# Altium PCB ETZZ.PcbDoc
Units mil, origin at the board's own origin, x right, y up, seen from the top; angles counter-clockwise.
Board outline 2755.91 x 4724.41 mil, 2 copper layers (Top Layer, Bottom Layer); 37 components, 54 nets, 245 pads, 53 vias.
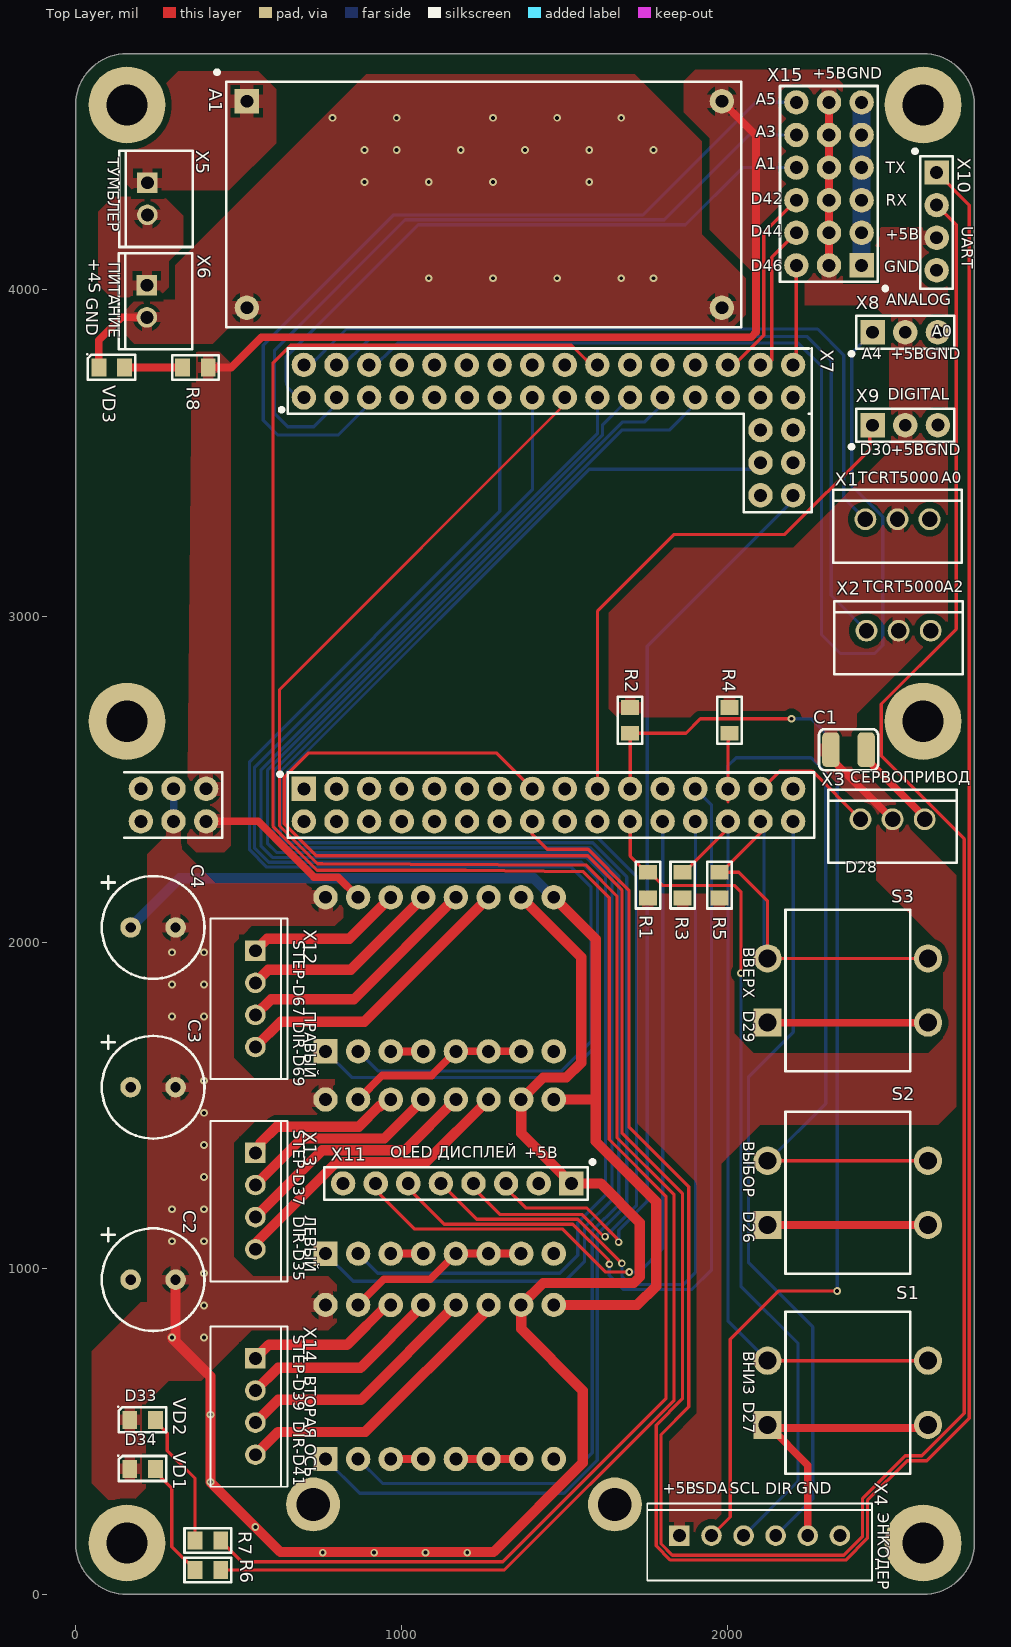
[diagram p0: Top Layer view]
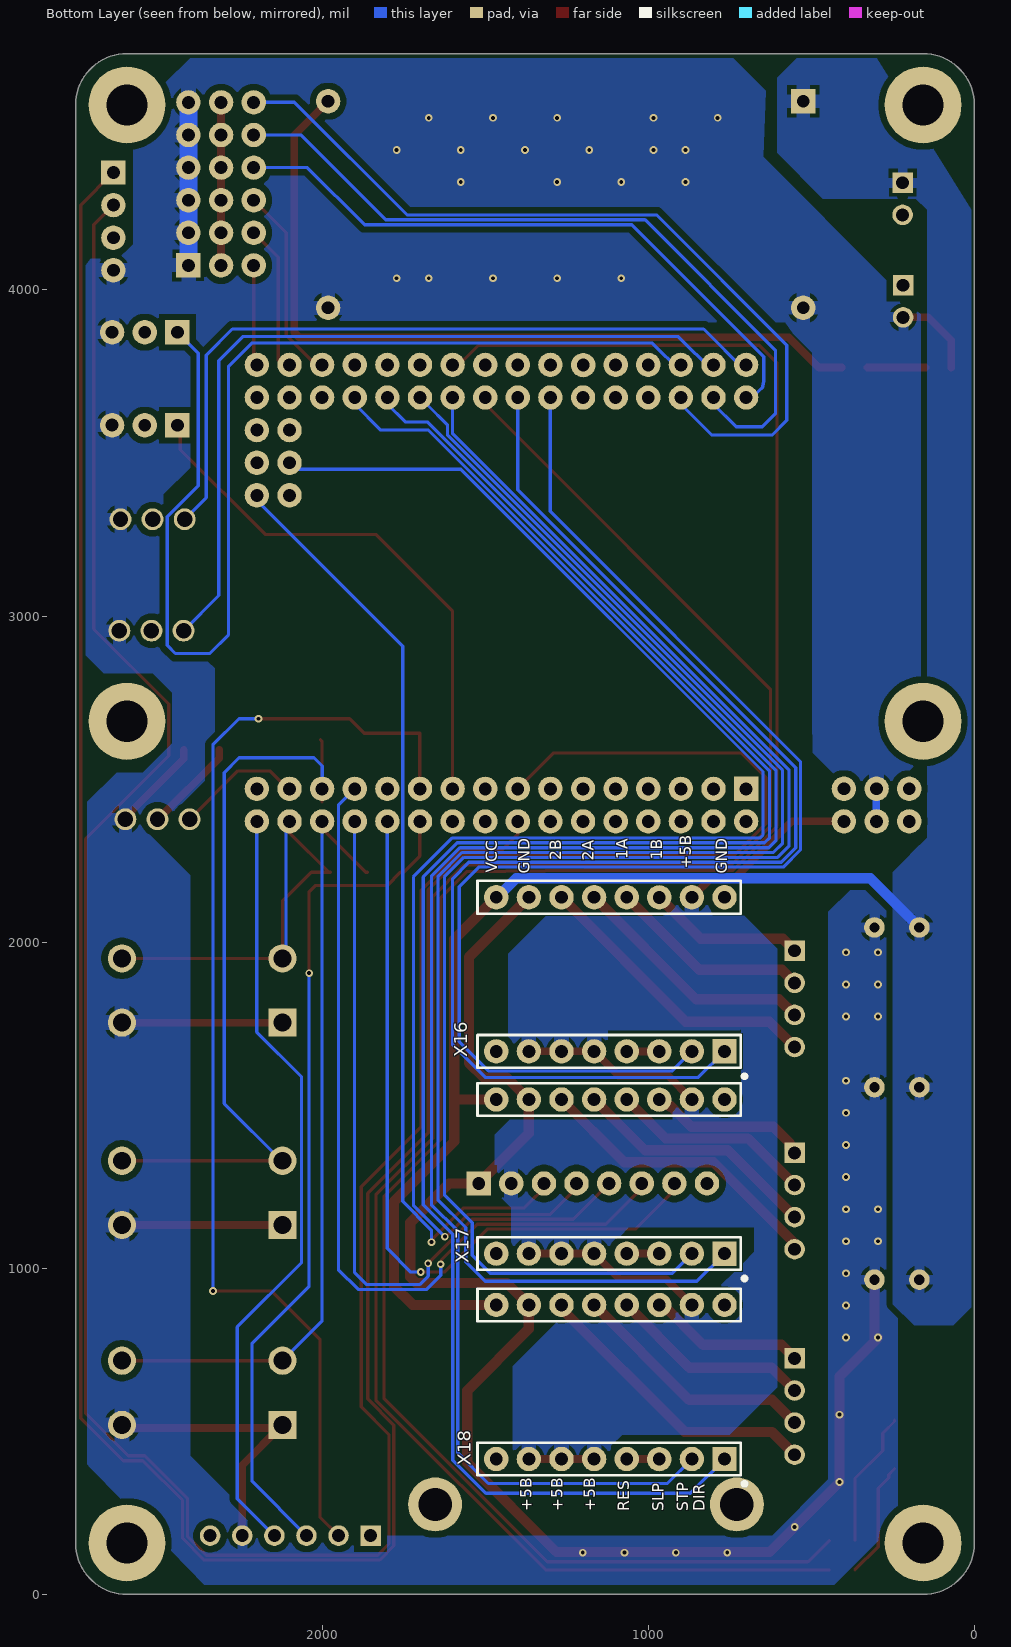
[diagram p1: Bottom Layer view, seen from below]

## Layer stack, top to bottom
Top Solder: solder mask 0.4, Solder Resist, Dk 3.5
Top Layer: signal copper 1.4
Dielectric 1: dielectric 12.6, FR-4, Dk 4.8
Bottom Layer: signal copper 1.4
Bottom Solder: solder mask 0.4, Solder Resist, Dk 3.5

## Board outline
157.48,0 cw(c157.48,157.48) 0,157.48 0,4566.93 cw(c157.48,4566.93) 157.48,4724.41 2598.43,4724.41 cw(c2598.43,4566.93) 2755.91,4566.93 2755.91,157.48 cw(c2598.43,157.48) 2598.43,0

## Design rules (kind name [scope] priority, off if disabled: settings)
AcuteAngle min_acute_angle [OnCopper] p1: minimum=3.50000000000000E+0001 checktracksonly=FALSE // Ìèíèìàëüíûé óãîë ìåæäó ïðèìèòèâàìè òîïîëîãèè
BoardOutlineClearance board_outline_clearance_std [NOT (OnLayer('Bottom Overlay') OR OnLayer('Top Overlay'))] p1: gap=9.84 ignorepadtopadclearanceinfootprint=FALSE except(0: Arc-SplitContinuation Track-SplitContinuation SMDPad-SplitContinuation THPad-SplitContinuation Via-SplitContinuation Fill-SplitContinuation Poly-SplitContinuation Region-SplitContinuation Text-SplitContinuation) // Îòñòóï ýëåìåíòîâ òîïîëîãèè îò êðàÿ ôðåçåðóåìîé ïå÷àòíîé ïëàòû
Clearance Clearance_5V [InPolygonClass('+5В')] p1: gap=19.68 ignorepadtopadclearanceinfootprint=FALSE
Clearance Clearance_vcc [InPolygonClass('VCC')] p2: gap=19.68 ignorepadtopadclearanceinfootprint=FALSE
Clearance Clearance_gnd [InPolygonClass('GND')] p3: gap=19.68 ignorepadtopadclearanceinfootprint=FALSE
Clearance clearance_outer_18um_std [OnTopLayer OR OnBottomLayer] p4: gap=4.92 ignorepadtopadclearanceinfootprint=TRUE except(7.87: Arc-Fill Arc-Poly Track-Fill Track-Poly SMDPad-SMDPad SMDPad-Fill SMDPad-Poly THPad-Fill THPad-Poly Via-Fill Via-Poly Fill-Fill Fill-Poly Poly-Poly Poly-Region Poly-Text; 9.84: Arc-Hole Track-Hole SMDPad-Hole THPad-Hole Via-Hole Fill-Hole Poly-Hole Region-Hole Text-Hole) // Çàçîðû íà âíåøíèõ ñëîÿõ
Clearance clearance_inner_18um_std [NOT (OnTopLayer Or OnBottomLayer)] p5: gap=4.92 ignorepadtopadclearanceinfootprint=FALSE except(7.87: Arc-Fill Arc-Poly Track-Fill Track-Poly SMDPad-SMDPad SMDPad-Fill SMDPad-Poly THPad-Fill THPad-Poly Via-Fill Via-Poly Fill-Fill Fill-Poly Poly-Poly Poly-Region Poly-Text; 9.84: Arc-Hole Track-Hole SMDPad-Hole THPad-Hole Via-Hole Fill-Hole Poly-Hole Region-Hole Text-Hole) // Çàçîðû íà âíóòðåííèõ ñëîÿõ
ComponentClearance [All] p1: gap=0 collisioncheckmode=3 verticalgap=0 showdistances=FALSE
DiffPairsRouting diff_pairs_routing [All] p1: maxlimit=5 minlimit=5 mostfreqgap=5 toplayer_minwidth=5.65 toplayer_maxwidth=5.65 toplayer_prefwidth=5.65 bottomlayer_minwidth=5.65 bottomlayer_maxwidth=5.65 bottomlayer_prefwidth=5.65 impedanceprofiledriven=TRUE impedanceprofileid={FD46899E-B5A2-4EF5-A302-5D2DB6A51F35} maxuncoupledlength=500 // Ïðàâèëà òðàññèðîâêè äèôôåðåíöèàëüíûõ ïàð
HoleSize min_hole_size_std [IsPad] p1: absolutevalues=TRUE maxlimit=232.28 minlimit=23.62 maxpercent=80.000 minpercent=20.000 // Äèàìåòð ìåæñëîéíîãî ïåðåõîäíîãî îòâåðñòèÿ
HoleSize min_hole_size_via_std [IsVia] p2: absolutevalues=TRUE maxlimit=232.28 minlimit=11.81 maxpercent=80.000 minpercent=20.000 // Ìèíèìàëüíûé äèàìåòð ìîíòàæíîãî îòâåðñòèÿ
HoleToHoleClearance hole_to_hole_clearance_std [All] p1: gap=7.87 allowstackedmicrovias=FALSE // Ìèíèìàëüíîå ðàññòîÿíèå ìåæäó êðàÿìè äâóõ îòâåðñòèé
MinimumAnnularRing min_via_ar_std [All] p1: minimumring=5.91 // Ïîÿñîê ïëîùàäêè ïåðåõîäíîãî îòâåðñòèÿ (Annular ring VIA)
MinimumAnnularRing min_pad_ar_std [All] p2: minimumring=7.87 // Ïîÿñîê ìîíòàæíîé êîíòàêòíîé ïëîùàäêè (Annular ring PAD)
MinimumSolderMaskSliver min_solder_mask_bridge_std [All] p1: minsoldermaskwidth=5.91 // Ìíèìàëüíàÿ øèðèíà ìàñî÷íîãî ìîñòèêà
PlaneClearance plane_clearance_18um_std [All] p1: clearance=7.87 // Îòñòóï ïîëèãîíà (äëÿ ñëîÿ plane) îò ýëåìåíòîâ òîïîëîãèè
PlaneConnect [All] p1: planeconnectstyle=Relief reliefexpansion=19.68 reliefentries=4 reliefconductorwidth=7.87 reliefairgap=7.87
PolygonConnect poly_connect_to_pad<=0.3 [(AsMM(PadXSize_AllLayers)<=0.301) or (AsMM(PadYSize_AllLayers)<=0.301)] p1: thpad.connectstyle=Relief thpad.reliefconductorwidth=7.87 thpad.reliefentries=4 thpad.polygonreliefangle="90 Angle" thpad.airgapwidth=7.87 smdpad.connectstyle=Relief smdpad.reliefconductorwidth=7.87 smdpad.reliefentries=4 smdpad.polygonreliefangle="90 Angle" smdpad.airgapwidth=7.87 via.connectstyle=Direct via.reliefconductorwidth=10 via.reliefentries=4 via.polygonreliefangle="90 Angle" via.airgapwidth=10 // Ïðàâèëà ïîäêëþ÷åíèÿ ïîëèãîíîâ äëÿ ïàäîâ îò 0,3ìì è ìåíüøå
PolygonConnect poly_connect_to_pad<=0.4 [(AsMM(PadXSize_AllLayers)<=0.401) or (AsMM(PadYSize_AllLayers)<=0.401)] p2: thpad.connectstyle=Relief thpad.reliefconductorwidth=10.24 thpad.reliefentries=4 thpad.polygonreliefangle="90 Angle" thpad.airgapwidth=7.87 smdpad.connectstyle=Relief smdpad.reliefconductorwidth=10.24 smdpad.reliefentries=4 smdpad.polygonreliefangle="90 Angle" smdpad.airgapwidth=7.87 via.connectstyle=Direct via.reliefconductorwidth=10 via.reliefentries=4 via.polygonreliefangle="90 Angle" via.airgapwidth=10 // Ïðàâèëà ïîäêëþ÷åíèÿ ïîëèãîíîâ äëÿ ïàäîâ îò 0,4 è ìåíüøå
PolygonConnect poly_connect_to_pad<=0.6 [(AsMM(PadXSize_AllLayers)<=0.601) or (AsMM(PadYSize_AllLayers)<=0.601)] p3: thpad.connectstyle=Relief thpad.reliefconductorwidth=12.99 thpad.reliefentries=4 thpad.polygonreliefangle="90 Angle" thpad.airgapwidth=7.87 smdpad.connectstyle=Relief smdpad.reliefconductorwidth=12.99 smdpad.reliefentries=4 smdpad.polygonreliefangle="90 Angle" smdpad.airgapwidth=7.87 via.connectstyle=Direct via.reliefconductorwidth=10 via.reliefentries=4 via.polygonreliefangle="90 Angle" via.airgapwidth=10 // Ïðàâèëà ïîäêëþ÷åíèÿ ïîëèãîíîâ äëÿ ïàäîâ îò 0,6ìì è ìåíüøå
PolygonConnect poly_connect_to_pad<=0.7 [(AsMM(PadXSize_AllLayers)<=0.701) or (AsMM(PadYSize_AllLayers)<=0.701)] p4: thpad.connectstyle=Relief thpad.reliefconductorwidth=18.11 thpad.reliefentries=4 thpad.polygonreliefangle="90 Angle" thpad.airgapwidth=7.87 smdpad.connectstyle=Relief smdpad.reliefconductorwidth=18.11 smdpad.reliefentries=4 smdpad.polygonreliefangle="90 Angle" smdpad.airgapwidth=7.87 via.connectstyle=Direct via.reliefconductorwidth=10 via.reliefentries=4 via.polygonreliefangle="90 Angle" via.airgapwidth=10 // Ïðàâèëà ïîäêëþ÷åíèÿ ïîëèãîíîâ äëÿ ïàäîâ îò 0,7ìì è ìåíüøå
PolygonConnect poly_connect_to_pad<=0.8 [(AsMM(PadXSize_AllLayers)<=0.8)or(AsMM(PadYSize_AllLayers)<=0.8)] p5: thpad.connectstyle=Relief thpad.reliefconductorwidth=20.87 thpad.reliefentries=4 thpad.polygonreliefangle="90 Angle" thpad.airgapwidth=11.81 smdpad.connectstyle=Relief smdpad.reliefconductorwidth=20.87 smdpad.reliefentries=4 smdpad.polygonreliefangle="90 Angle" smdpad.airgapwidth=7.87 via.connectstyle=Direct via.reliefconductorwidth=10 via.reliefentries=4 via.polygonreliefangle="90 Angle" via.airgapwidth=10 // Ïðàâèëà ïîäêëþ÷åíèÿ ïîëèãîíîâ äëÿ ïàäîâ îò 0,8ìì è ìåíüøå
PolygonConnect poly_connect_to_pad<=1 [(AsMM(PadXSize_AllLayers)<=1.01)or(AsMM(PadYSize_AllLayers)<=1.01)] p6: thpad.connectstyle=Relief thpad.reliefconductorwidth=23.62 thpad.reliefentries=4 thpad.polygonreliefangle="90 Angle" thpad.airgapwidth=11.81 smdpad.connectstyle=Relief smdpad.reliefconductorwidth=23.62 smdpad.reliefentries=4 smdpad.polygonreliefangle="90 Angle" smdpad.airgapwidth=7.87 via.connectstyle=Direct via.reliefconductorwidth=10 via.reliefentries=4 via.polygonreliefangle="90 Angle" via.airgapwidth=10 // Ïðàâèëà ïîäêëþ÷åíèÿ ïîëèãîíîâ äëÿ ïàäîâ îò 1ìì è ìåíüøå
PolygonConnect poly_connect_to_pad<=1.3 [(AsMM(PadXSize_AllLayers)<=1.31)or(AsMM(PadYSize_AllLayers)<=1.31)] p7: thpad.connectstyle=Relief thpad.reliefconductorwidth=25.98 thpad.reliefentries=4 thpad.polygonreliefangle="90 Angle" thpad.airgapwidth=11.81 smdpad.connectstyle=Relief smdpad.reliefconductorwidth=33.86 smdpad.reliefentries=4 smdpad.polygonreliefangle="90 Angle" smdpad.airgapwidth=7.87 via.connectstyle=Direct via.reliefconductorwidth=10 via.reliefentries=4 via.polygonreliefangle="90 Angle" via.airgapwidth=10 // Ïðàâèëà ïîäêëþ÷åíèÿ ïîëèãîíîâ äëÿ ïàäîâ îò 1,3ìì è ìåíüøå
PolygonConnect poly_connect_to_pad<=1.6 [(AsMM(PadXSize_AllLayers)<=1.61)or(AsMM(PadYSize_AllLayers)<=1.61)] p8: thpad.connectstyle=Relief thpad.reliefconductorwidth=31.5 thpad.reliefentries=4 thpad.polygonreliefangle="90 Angle" thpad.airgapwidth=11.81 smdpad.connectstyle=Relief smdpad.reliefconductorwidth=39.37 smdpad.reliefentries=4 smdpad.polygonreliefangle="90 Angle" smdpad.airgapwidth=7.87 via.connectstyle=Direct via.reliefconductorwidth=10 via.reliefentries=4 via.polygonreliefangle="90 Angle" via.airgapwidth=10 // Ïðàâèëà ïîäêëþ÷åíèÿ ïîëèãîíîâ äëÿ ïàäîâ îò 1,6ìì è ìåíüøå
PolygonConnect poly_connect_to_pad<=1.8 [(AsMM(PadXSize_AllLayers)<=1.8)or(AsMM(PadYSize_AllLayers)<=1.8)] p9: thpad.connectstyle=Relief thpad.reliefconductorwidth=39.37 thpad.reliefentries=4 thpad.polygonreliefangle="90 Angle" thpad.airgapwidth=11.81 smdpad.connectstyle=Relief smdpad.reliefconductorwidth=47.24 smdpad.reliefentries=4 smdpad.polygonreliefangle="90 Angle" smdpad.airgapwidth=7.87 via.connectstyle=Direct via.reliefconductorwidth=10 via.reliefentries=4 via.polygonreliefangle="90 Angle" via.airgapwidth=10 // Ïðàâèëà ïîäêëþ÷åíèÿ ïîëèãîíîâ äëÿ ïàäîâ îò 1,8ìì è ìåíüøå
PolygonConnect poly_connect_to_pad<=2 [(AsMM(PadXSize_AllLayers)<=2.01)or(AsMM(PadYSize_AllLayers)<=2.01)] p10: thpad.connectstyle=Relief thpad.reliefconductorwidth=43.31 thpad.reliefentries=4 thpad.polygonreliefangle="90 Angle" thpad.airgapwidth=11.81 smdpad.connectstyle=Relief smdpad.reliefconductorwidth=55.12 smdpad.reliefentries=4 smdpad.polygonreliefangle="90 Angle" smdpad.airgapwidth=7.87 via.connectstyle=Direct via.reliefconductorwidth=10 via.reliefentries=4 via.polygonreliefangle="90 Angle" via.airgapwidth=10 // Ïðàâèëà ïîäêëþ÷åíèÿ ïîëèãîíîâ äëÿ ïàäîâ îò 2ìì è ìåíüøå
PolygonConnect poly_connect_to_pad<=2.3 [(AsMM(PadXSize_AllLayers)<=2.31)or(AsMM(PadYSize_AllLayers)<=2.31)] p11: thpad.connectstyle=Relief thpad.reliefconductorwidth=47.24 thpad.reliefentries=4 thpad.polygonreliefangle="90 Angle" thpad.airgapwidth=11.81 smdpad.connectstyle=Relief smdpad.reliefconductorwidth=55.12 smdpad.reliefentries=4 smdpad.polygonreliefangle="90 Angle" smdpad.airgapwidth=7.87 via.connectstyle=Direct via.reliefconductorwidth=10 via.reliefentries=4 via.polygonreliefangle="90 Angle" via.airgapwidth=10 // Ïðàâèëà ïîäêëþ÷åíèÿ ïîëèãîíîâ äëÿ ïàäîâ îò 2,3ìì è ìåíüøå
PolygonConnect poly_connect_to_pad<=2.5 [(AsMM(PadXSize_AllLayers)<=2.51)or(AsMM(PadYSize_AllLayers)<=2.51)] p12: thpad.connectstyle=Relief thpad.reliefconductorwidth=47.24 thpad.reliefentries=4 thpad.polygonreliefangle="90 Angle" thpad.airgapwidth=11.81 smdpad.connectstyle=Relief smdpad.reliefconductorwidth=55.12 smdpad.reliefentries=4 smdpad.polygonreliefangle="90 Angle" smdpad.airgapwidth=7.87 via.connectstyle=Direct via.reliefconductorwidth=10 via.reliefentries=4 via.polygonreliefangle="90 Angle" via.airgapwidth=10 // Ïðàâèëà ïîäêëþ÷åíèÿ ïîëèãîíîâ äëÿ ïàäîâ îò 2,5ìì è ìåíüøå
PolygonConnect poly_connect_to_pad<=2.7 [(AsMM(PadXSize_AllLayers)<=2.71)or(AsMM(PadYSize_AllLayers)<=2.71)] p13: thpad.connectstyle=Relief thpad.reliefconductorwidth=55.12 thpad.reliefentries=4 thpad.polygonreliefangle="90 Angle" thpad.airgapwidth=11.81 smdpad.connectstyle=Relief smdpad.reliefconductorwidth=62.99 smdpad.reliefentries=4 smdpad.polygonreliefangle="90 Angle" smdpad.airgapwidth=7.87 via.connectstyle=Direct via.reliefconductorwidth=10 via.reliefentries=4 via.polygonreliefangle="90 Angle" via.airgapwidth=10 // Ïðàâèëà ïîäêëþ÷åíèÿ ïîëèãîíîâ äëÿ ïàäîâ îò 2,7ìì è ìåíüøå
PolygonConnect poly_connect_to_pad<=3 [(AsMM(PadXSize_AllLayers)<=3.01)or(AsMM(PadYSize_AllLayers)<=3.01)] p14: thpad.connectstyle=Relief thpad.reliefconductorwidth=62.99 thpad.reliefentries=4 thpad.polygonreliefangle="90 Angle" thpad.airgapwidth=11.81 smdpad.connectstyle=Relief smdpad.reliefconductorwidth=70.87 smdpad.reliefentries=4 smdpad.polygonreliefangle="90 Angle" smdpad.airgapwidth=7.87 via.connectstyle=Direct via.reliefconductorwidth=10 via.reliefentries=4 via.polygonreliefangle="90 Angle" via.airgapwidth=10 // Ïðàâèëà ïîäêëþ÷åíèÿ ïîëèãîíîâ äëÿ ïàäîâ îò 3ìì è ìåíüøå
PolygonConnect poly_connect_to_pad<=7 [(AsMM(PadXSize_AllLayers)<7.01)or(AsMM(PadYSize_AllLayers)<=7.01)] p15: thpad.connectstyle=Relief thpad.reliefconductorwidth=78.74 thpad.reliefentries=4 thpad.polygonreliefangle="90 Angle" thpad.airgapwidth=15.75 smdpad.connectstyle=Relief smdpad.reliefconductorwidth=78.74 smdpad.reliefentries=4 smdpad.polygonreliefangle="90 Angle" smdpad.airgapwidth=11.81 via.connectstyle=Direct via.reliefconductorwidth=10 via.reliefentries=4 via.polygonreliefangle="90 Angle" via.airgapwidth=10 // Ïðàâèëà ïîäêëþ÷åíèÿ ïîëèãîíîâ äëÿ ïàäîâ îò 7ìì è ìåíüøå
PolygonConnect poly_connect_to_pad [All] p16: thpad.connectstyle=Relief thpad.reliefconductorwidth=9.84 thpad.reliefentries=4 thpad.polygonreliefangle="90 Angle" thpad.airgapwidth=7.87 smdpad.connectstyle=Relief smdpad.reliefconductorwidth=9.84 smdpad.reliefentries=4 smdpad.polygonreliefangle="90 Angle" smdpad.airgapwidth=7.87 via.connectstyle=Direct via.reliefconductorwidth=9.84 via.reliefentries=4 via.polygonreliefangle="90 Angle" via.airgapwidth=7.87 // Ïðàâèëà ïîäêëþ÷åíèÿ ïîëèãîíîâ îáùèå
RoutingCorners [All] p1 off: cornerstyle=45-Degree minsetback=98.43 maxsetback=98.43
RoutingVias [All] p1: holewidth=11.81 width=23.62 viastyle="Through Hole" minholewidth=11.81 minwidth=23.62 maxholewidth=232.28 maxwidth=251.97
SilkToSilkClearance silk_to_silk_clearance_std [All] p1 off: silktosilkclearance=5.91 // Îòñòóï òåêñòà øåëêîãðàôèè îò äðóãèõ ïðèìèòèâîâ øåëêîãðàôèè
SilkToSolderMaskClearance silk_to_solder_mask_clearance_std [IsPad] p1 off: minsilkscreentomaskgap=5.91 clearancetoexposedcopper=FALSE // Ìèíèìàëüíîå ðàññòîÿíèå ìåæäó ýëåìåíòàìè øåëêîãðàôèè è âñêðûòîé ìåäüþ
SolderMaskExpansion solder_mask_expansion_std [All] p1: expansion=1.97 istentingtop=FALSE // Ïðèïóñê ïàÿëüíîé ìàññêè
UnRoutedNet [All] p1: checkbadconnections=TRUE
Width width_18um_std [All] p1: maxlimit=393.7 minlimit=4.92 preferedwidth=5.91 checkconnectedcopper=TRUE // Øèðèíà ïðîâîäíèêîâ (îáùàÿ)
19 further rules are at their usual default settings.

## Classes and differential pairs
polygon class +5В: 5V_MOTOR 5V_top +5В
polygon class VCC: +4s_vcc btm_vcc VCC_top
polygon class GND: BOT_GND brm_gnd GND_lm top_gnd
component class Э3: A1 C1 R1 R2 R3 R4 R5 R6 R7 R8 S1 S2 S3 VD1 VD2 VD3 X1 X2 X3 X4 X5 X6 X7 X8 X9 X10 X11
component class Э3_2: C2 C3 C4 Q X12 X13 X14 X15 X17 X18

## Components (designator, comment, footprint, x,y, rotation, side; value= is the part's Value field where it differs from the comment)
A1 "LM2596" LM2596 1233.66,4267.48 r270 top
C1 "100мк" C1210 2370,2590 r180 top
C2 "конденсатор" SK050M0100B3F-0811-up 237.62,965 r0 top
C3 "конденсатор" SK050M0100B3F-0811-up 237.62,1555 r0 top
C4 "конденсатор" SK050M0100B3F-0811-up 237.62,2045 r0 top
R1 "10к" Resistor0805 1755,2175 r90 top
R2 "10к" Resistor0805 1700,2680 r270 top
R3 "10к" Resistor0805 1861.46,2175 r270 top
R4 "10к" Resistor0805 2005,2680 r90 top
R5 "10к" Resistor0805 1974.07,2175 r270 top
R6 "1к" Resistor0805 405.63,75 r180 top
R7 "1к" Resistor0805 405.63,165 r180 top
R8 "1к" Resistor0805 367.46,3762.02 r180 top
S1 "BUTTON12" THT12 2121.67,519.68 r90 top
S2 "BUTTON12" THT12 2121.67,1132.76 r90 top
S3 "BUTTON12" THT12 2121.67,1753.2 r90 top
VD1 "LED0805" LED0805 205.63,385 r0 top
VD2 "LED0805" LED0805 205.63,535 r0 top
VD3 "LED0805" LED0805 110.63,3762.02 r0 top
X1 "DS1069-3M (CWF-3)" CWF-3 2520,3275 r270 top
X2 "DS1069-3M (CWF-3)" CWF-3 2523.43,2933.35 r270 top
X3 "DS1069-3M (CWF-3)" CWF-3 2505,2355 r270 top
X4 "DS1069-6M (CWF-6)" CWF-6 1851.3,180 r90 top
X5 "DS1069-2M (CWF-2)" CWF-2 246.57,4279.21 r270 top
X6 "DS1069-2M (CWF-2)" CWF-2 245,3965 r270 top
X7 "Arduino Mega 2560 Pro" PBD38 800,3720 r0 top locked
X8 "PLS-2,54-3" PLS-2.54-3 2543.88,3870 r0 top
X9 "PLS-2,54-3" PLS-2.54-3 2543.88,3585 r0 top
X10 "PLS-2,54-4" PLS-2.54-4 2640,4260 r270 top
X11 "PBD8" PBD8 1420,1260 r180 top locked
X12 "DS1069-4M (CWF-4)" CWF-4 551.18,1973.59 r0 top
X13 "DS1069-4M (CWF-4)" CWF-4 551.18,1353.59 r0 top
X14 "DS1069-4M (CWF-4)" CWF-4 551.18,723.59 r0 top
X15 "PLS-2.54-3*6" PLS-2.54-3*6 2210,4075 r90 top
X16 "A4988" A4988 866.14,1665 r0 bottom locked
X17 "A4988" A4988 866.14,1045 r0 bottom
X18 "A4988" A4988 866.14,415 r0 bottom locked

## Footprints (in the part's own frame and the unit in brackets; to place one, negate y for a bottom-side part, rotate by r counter-clockwise, add the part's x,y. Pads: shape width x height; smd on the part's side, far side on the other; paste and mask are expansions set on the pad)
A4988 [mm]
  rect 1.9x1.9 hole 1: 1(-2.54,0)
  round 1.9 hole 1: 2(0,0) 3(2.545,0.005) 4(5.08,0) 5(7.62,0) 6(10.16,0) 7(12.7,0) 8(15.24,0) 9(-2.54,-12) 10(0,-12) 11(2.545,-11.995) 12(5.08,-12) 13(7.62,-12) 14(10.16,-12) 15(12.7,-12) 16(15.24,-12)
  silkscreen extent -4.1,-13.28 16.7,1.94, body extent -3.8,-13.55 16.67,1.45, height 15.6
C1210 [mm] "Chip Capacitor, 2-Leads, Body 3,20x2,50mm, IPC Medium Density"
  rrect50% 1.35x2.7 smd: 1(-1.375,0) 2(1.375,0)
  Top Layer pour cut-out: -0.6,1.325 -0.6,-1.05 0.6,-1.05 0.6,1.325
  silkscreen extent -2.3,-1.6 2.3,1.6, body extent -1.7,-1.35 1.7,1.35, height 2.7
CWF-2 [mm]
  rect 1.6x1.6 hole 1: 1(-1.25,-0.675)
  round 1.6 hole 1: 2(1.25,-0.675)
  silkscreen extent -3.75,-2.88 3.75,2.88, body extent -3.75,-2.87 3.75,2.88, height 7
CWF-3 [mm]
  round 1.7 hole 1.2: 1(-0.55,-2.5) 2(-0.55,0) 3(-0.55,2.5)
  silkscreen extent -2.85,-5 2.85,5, body extent -2.9,-5 2.8,5, height 7.7
CWF-4 [mm]
  rect 1.6x1.6 hole 1: 1(0,0)
  round 1.6 hole 1: 2(0,-2.5) 3(0,-5) 4(0,-7.5)
  silkscreen extent -3.5,-10 2.5,2.5, body extent -3.55,-9.95 2.2,2.45, height 7
CWF-6 [mm]
  rect 1.6x1.6 hole 1: 1(0,0)
  round 1.6 hole 1: 2(0,-2.5) 3(0,-5) 4(0,-7.5) 5(0,-10) 6(0,-12.5)
  silkscreen extent -3.5,-15 2.5,2.5, body extent -3.52,-15 2.22,2.5, height 7
LED0805 [mm]
  rect 1.15x1.4 smd: 1(-1,0) 2(1,0)
  silkscreen extent -1.9,-0.95 1.83,1.03, body extent -1.01,-0.65 1.01,0.6, height 1.1
LM2596 [mm]
  rect 1.9x1.9 hole 1: 1(-7.9,-18)
  round 1.9 hole 1: 2(8.191,-18) 3(-7.9,19) 4(8.191,19)
  silkscreen extent -10.16,-20.32 9.7,20.5, body extent -9.39,-19.5 9.7,20.5, height 17.53
PBD8 [mm]
  rect 1.9x1.9 hole 1: 1(-2.54,0)
  round 1.9 hole 1: 2(0,0) 3(2.545,0.005) 4(5.08,0) 5(7.62,0) 6(10.16,0) 7(12.7,0) 8(15.24,0)
  silkscreen extent -4.2,-1.68 16.7,1.28, body extent -8.65,-1.25 18.85,26.5, height 13.95
PBD38 [mm]
  rect 1.9x1.9 hole 1: 1(-2.54,-31.75)
  round 1.9 hole 1: 2(-2.54,-34.29) 3(0,-31.75) 7(5.08,-31.75) 8(5.08,-34.29) 13(12.7,-31.75) 14(12.7,-34.29) 19(20.32,-31.75) 20(20.32,-34.29) 25(27.94,-31.75) 26(27.94,-34.29) 31(35.56,-31.75) 32(35.56,-34.29) 33(17.78,1.27) 34(17.78,-1.27) 35(20.32,1.27) 39(25.4,1.27) 40(25.4,-1.27) 45(33.02,1.27) 46(33.02,-1.27) 51(35.56,-6.35) 52(33.02,-6.35) 57(0,1.27) 58(0,-1.27) 63(7.62,1.27) 64(7.62,-1.27) 69(15.24,1.27) 70(15.24,-1.27) 71(-15.24,-34.285) 72(-15.24,-31.745) 73(-12.7,-34.285)
  round 1.9 hole 1 mask+0.102: 4(0,-34.29) 5(2.54,-31.75) 6(2.54,-34.29) 9(7.62,-31.75) 10(7.62,-34.29) 11(10.16,-31.75) 12(10.16,-34.29) 15(15.24,-31.75) 16(15.24,-34.29) 17(17.78,-31.75) 18(17.78,-34.29) 21(22.86,-31.75) 22(22.86,-34.29) 23(25.4,-31.75) 24(25.4,-34.29) 27(30.48,-31.75) 28(30.48,-34.29) 29(33.02,-31.75) 30(33.02,-34.29) 36(20.32,-1.27) 37(22.86,1.27) 38(22.86,-1.27) 41(27.94,1.27) 42(27.94,-1.27) 43(30.48,1.27) 44(30.48,-1.27) 47(35.56,1.27) 48(35.56,-1.27) 49(35.56,-3.81) 50(33.02,-3.81) 53(35.56,-8.89) 54(33.02,-8.89) 55(-2.54,1.27) 56(-2.54,-1.27) 59(2.54,1.27) 60(2.54,-1.27) 61(5.08,1.27) 62(5.08,-1.27) 65(10.146,1.257) 66(10.16,-1.27) 67(12.7,1.27) 68(12.7,-1.27) 74(-12.7,-31.745) 75(-10.16,-34.285) 76(-10.16,-31.745)
  silkscreen extent -16.52,-35.57 37.2,2.54, body extent -17.18,-35.6 36.94,2.5, height 13.94
PLS-2.54-3 [mm]
  rect 1.9x1.9 hole 1: 1(-2.54,0)
  round 1.9 hole 1: 2(0,0) 3(2.545,0.005)
  silkscreen extent -4.2,-1.68 3.82,1.28, body extent -3.81,-1.27 3.81,1.27, height 8.59
PLS-2.54-3*6 [mm]
  rect 1.9x1.9 hole 1: 1(0,-5.08)
  round 1.9 hole 1: 2(2.54,-5.08) 3(5.08,-5.08) 4(7.62,-5.08) 5(10.16,-5.08) 6(12.7,-5.08) 7(0,-2.54) 8(2.54,-2.54) 9(5.08,-2.54) 10(7.62,-2.54) 11(10.16,-2.54) 12(12.7,-2.54) 13(0,0) 14(2.54,0) 15(5.08,0) 16(10.16,0) 17(7.62,0) 18(12.7,0)
  silkscreen extent -1.81,-6.93 13.98,1.28, body extent -1.26,-6.35 13.98,1.27, height 8.54
PLS-2.54-4 [mm]
  rect 1.9x1.9 hole 1: 1(-2.54,0)
  round 1.9 hole 1: 2(0,0) 3(2.545,0.005) 4(5.08,0)
  silkscreen extent -4.2,-1.68 6.5,1.28, body extent -3.79,-1.37 6.37,1.17, height 8.6
Resistor0805 [mm]
  rect 1.15x1.4 smd: 1(-1,0) 2(1,0)
  silkscreen extent -1.83,-0.95 1.83,0.95, body extent -1.1,-0.7 1.1,0.7, height 0.45
SK050M0100B3F-0811-up [mm]
  round 1.6 hole 0.8: 1(-1.75,0) 2(1.75,0)
  silkscreen extent -4,-4 4,4, body extent -4,-3.99 4,3.99, height 11.5
THT12 [mm]
  rect 2.2x2.2 hole 1.4: 1(0,0)
  round 2.2 hole 1.4: 1(0,-12.5) 2(5,0) 2(5,-12.5)
  silkscreen extent -3.8,-11.1 8.8,-1.4, body extent -3.85,-13.28 8.95,0.78, height 12

## Part data
C1: library part CC0603JRNPO9BN220, "Конденсатор кер. 100мк 50В", Manufacturer=Yageo, Voltage=50В, Name=CC0603JRNPO9BN220, TKE=NP0
C2 C3 C4: library part SK050M0100B3F-0811, Voltage=50В, nam=конденсатор, nominal=100мк
R1 R2 R3 R4 R5 R6 R7 R8: library part RESISTOR
  R1 R2 R3 R4 R5: nam=10к
  R6 R7 R8: nam=резистор
X1 X2 X3: library part CWF-3, "Разъем - 3 конт. прямая вилка на плату", Contact_1=S, Contact_2=VCC, Contact_3=GND, Name="DS1069-3M (CWF-3)"
X4: library part CWF-6, "Разъем - 6 конт. прямая вилка на плату", Contact_1=VCC, Contact_2=SDA, Contact_3=SCL, Contact_4=DIR, Contact_5=GND, Name="DS1069-6M (CWF-6)"
X5 X6: library part CWF-2, "Разъем - 2 конт. прямая вилка на плату", Contact_1=VIN, Name="DS1069-2M (CWF-2)"
  X5: Contact_2=VIN2
  X6: Contact_2=GND
X8 X9: library part "PLS-2.54-3 1>2", Contact_1=S, Contact_2=VCC, Contact_3=GND, nam=PLS-2,54-3
X10: library part PLS-2.54-4, Contact_1=TX, Contact_2=RX, Contact_3=VCC, Contact_4=GND, nam=PLS-2,54-4
X12 X13 X14: library part CWF-4, "Разъем - 4 конт. прямая вилка на плату", Contact_1=1B, Contact_2=1A, Contact_3=2A, Contact_4=2B, Name="DS1069-4M (CWF-4)"
A1: Contact_1=+12, Contact_2=GND, Contact_3=OUT
X7: nam="Arduino Mega 2560 Pro"
X11: Contact_1=GND, Contact_2=VDD, Contact_3=SCL, Contact_4=SDA, Contact_5=RES, Contact_6=DC, Contact_7=CS, nam=PBD8
X15: Contact_1=GND, Contact_2=GND, Contact_3=GND, Contact_4=GND, Contact_5=GND, Contact_6=GND, Contact_7=VCC, Contact_8=VCC, Contact_9=VCC, Contact_10=VCC, Contact_11=VCC, Contact_12=VCC

## Free pads (board coordinates)
  round 236.22 hole 125.98: 3(157.48,157.48) 3(157.48,2677.17) 3(157.48,4566.93) 3(2598.43,157.48) 3(2598.43,2677.17) 3(2598.43,4566.93)
  round 165.35 hole 102.36: 3(728.35,275.67) 3(1653.54,275.67)

## Via types
v1: diameter 23.62, hole 11.81, Top Layer to Bottom Layer, tented both sides, 53 vias

## Nets (pads, with @x,y where several pads share a name; then routed paths per layer and width w, separated by ;. In a path a pad name is that pad's centre, name@x,y a point inside that pad or via, vN(x,y) a via of type N, cw(c..) or ccw(c..) an arc to the next point about the centre after c; other vN are vias at no path point)
+4S: X5.2 X6.1
+5В: A1.3 C1.2 R1.1 R2.1 R3.2 R4.2 R5.2 R8.1 X1.2 X2.2 X3.2 X4.1 X7.75 X7.76 X8.2 X9.2 X10.3 X11.2 X15.7 X15.8 X15.9 X15.10 X15.11 X15.12 X16.5 X16.6 X16.7 X16.10 X17.5 X17.6 X17.7 X17.10 X18.5 X18.6 X18.7 X18.10 | length 5164
  Top Layer w23.62: X7.75 559.94,2370.2 731.14,2198.99 804.59,2198.99 X16.10 ; R8.1 477.02,3762.02 570,3855 2071.11,3855 2086,3869.89 2086,4474.2 A1.3 A1.3@1988.5,4578.5 ; X18.10 944.92,966.22 1087.36,966.22 X17.5 X17.6 X17.7 ; X17.10 939.92,1591.22 1092.36,1591.22 X16.5 X16.6 X16.7 ; X18.5 X18.6 X18.7 ; X15.7 X15.8 X15.9 X15.10 X15.11 X15.12 ; C1.2 2315.87,2564.22 2503.44,2376.65 X3.2
A1: X7.58 X15.16 | length 2304.5
  Bottom Layer w10: X7.58@800.55,3650 730.55,3580 650,3580 610,3620 610,3815 1009.92,4214.92 1804.92,4214.92 2065,4475 X15.16
A2: X7.56 X15.17 | length 1971.2
  Bottom Layer w10: X7.56@700.55,3650 652.93,3697.62 651.91,3698.65 651.86,3698.69 cw(c658.98,3705.72) 649.31,3703.15 cw(c817.42,3746.24) 645.73,3720.98 645.73,3721.72 645.73,3795.73 648.66,3798.66 1050,4200 1870,4200 2045,4375 X15.17
A3: X7.60 X15.18 | length 2557.1
  Bottom Layer w10: X7.60@900.55,3650 805.55,3555 620,3555 575,3600 575,3830 974.84,4229.84 1739.84,4229.84 2085,4575 X15.18
ANALOG: X7.59 X8.1 | length 3523
  Bottom Layer w10: X7.59@900.55,3750 987.44,3836.89 2216.06,3836.89 2287.07,3765.87 2287.07,2942.93 2345,2885 2450,2885 2475,2910 2475,3304.59 2380,3399.59 2380,3806.12 X8.1
BUTTON1: R3.1 S1.2 X7.28 | length 2371.9
  Top Layer w10: R3.1 1866.38,2214.37 2000.55,2348.55 X7.28@2000.55,2350 ; S1.2@2121.67,716.54 S1.2@2613.8,716.54
  Bottom Layer w10: X7.28@2000.55,2350 2000.55,837.65 S1.2@2121.67,716.54
BUTTON2: R4.1 S2.2 X7.27 | length 2349.6
  Top Layer w10: 2000.55,2430 2000.55,2616.18 R4.1@2005,2620.63 ; S2.2@2121.67,1329.61 S2.2@2613.8,1329.61
  Bottom Layer w10: X7.27 2000,2540 2025,2565 2255,2565 2300,2520 2300,1505 2124.61,1329.61 S2.2@2121.67,1329.61
BUTTON3: R5.1 S3.2 X7.30 | length 1451.7
  Top Layer w10: X7.30@2100.55,2350 2100.55,2335.93 1978.99,2214.37 R5.1 2032.97,2214.37 2121.67,2125.67 2121.67,1950.05 S3.2@2613.8,1950.05
  Bottom Layer w10: X7.30@2100.55,2350 2111.11,2339.44 2111.11,1960.61 S3.2@2121.67,1950.05
CLK: X7.53 X11.3 | length 2950.1
  Top Layer w10: X11.3@1304.8,1259.8 1379.6,1185 1566.47,1185 1659.28,1092.19 1659.28,1089.41 1665,1083.69 v1(1665,1080)
  Bottom Layer w10: v1(1665,1080) 1665,1117.14 1752.68,1204.81 1752.68,2907.68 2200,3355 X7.53
CS: X7.24 X11.7 | length 2328.9
  Top Layer w10: X11.7@902.5,1257.5 1040,1120 1493.53,1120 1625.32,988.21 v1(1697.52,988.21)
  Bottom Layer w10: v1(1697.52,988.21) 1728,988.21 1800.55,1060.76 X7.24@1800.55,2350
D1: X7.47 X15.13 | length 328.9
  Top Layer w10: X7.47@2200.55,3750 2210,3759.45 X15.13
D2: X7.45 X15.14 | length 470.3
  Top Layer w10: X7.45@2100.55,3750 2134.46,3783.91 2134.46,4099.46 X15.14
D3: X7.43 X15.15 | length 611.4
  Top Layer w10: X7.43@2000.55,3750.33 2000.55,3751.65 2110,3861.1 2110,4175 X15.15
DIGITAL: X7.19 X9.1 | length 1683.5
  Top Layer w10: X7.19@1600.55,2450 1600.55,3015.55 1835,3250 2175,3250 2435,3510 2435,3576.12 X9.1
DIR: X4.4 X7.32 | length 2333.4
  Bottom Layer w10: X4.4@2162.02,195.44 2260,293.43 2260,820 2063.36,1016.64 2063.36,1587.07 2200.55,1724.25 X7.32@2200.55,2350
DIR1: X7.70 X16.1 | length 4223.1
  Bottom Layer w10: X16.1 846.14,1585 1500,1585 1600,1685 1600,2195 1550.08,2244.92 592.48,2244.92 548.15,2289.25 548.15,2535.04 1400.55,3387.44 X7.70@1400.55,3650
DIR2: X7.38 X17.1 | length 4988.8
  Bottom Layer w10: X17.1 851.14,960 1500,960 1560,1020 1560,1125 1645,1210 1645,2201.1 1571.34,2274.76 616.83,2274.76 588.15,2303.44 588.15,2526.46 1615.47,3553.78 1615.47,3585.47 1680,3650 X7.38@1700.55,3650
DIR3: X7.42 X18.1 | length 5799.3
  Bottom Layer w10: X18.1 871.14,310 1497.8,310 1599.42,411.63 1599.42,1104.42 1690,1195 1690,2200 1585.39,2304.61 643.56,2304.61 628.15,2320.01 628.15,2524.25 1673.9,3570 1820.55,3570 X7.42@1900.55,3650
DS: X7.25 X11.6 | length 2626.8
  Top Layer w10: X11.6@1005,1260 1130,1135 1525,1135 1633.97,1026.03 1633.97,1014.74 v1(1636.57,1012.13)
  Bottom Layer w10: v1(1636.57,1012.13) 1636.57,977.98 1679.55,935 1890,935 1950,995 1950,2420 1910.28,2459.72 X7.25
GND: A1.2 A1.4 C1.1 C2.2 C3.2 C4.2 S1.1 S2.1 S3.1 VD1.1 VD2.1 VD3.1 X1.3 X2.3 X3.3 X4.5 X6.2 X7.73 X7.74 X8.3 X9.3 X10.4 X11.1 X15.1 X15.2 X15.3 X15.4 X15.5 X15.6 X16.9 X16.15 X17.9 X17.15 X18.9 X18.15 | length 7555.8
  Top Layer w23.62: VD3.1 71.26,3845.39 141.65,3915.79 X6.2 ; S1.1@2121.67,519.68 2245,396.36 X4.5@2245,169.64 ; S2.1@2121.67,1132.76 S2.1@2613.8,1132.76 ; S3.1@2121.67,1753.2 S3.1@2613.8,1753.2 ; S1.1@2131.36,510 2604.11,510 S1.1@2613.8,519.68 ; C1.1 2424.13,2562.63 2603.43,2383.33 X3.3
  Top Layer w31.5: v1(295.28,787.4) 413.39,669.29 v1(413.39,344.49) 627.87,130 757.87,130 915.35,130 1072.83,130 1200.79,130 1281.57,130 1555.12,403.54 1555.12,624.88 1366.14,813.86 X18.15 1433.43,954.72 1711.55,954.72 1730,973.17 1730,1140 1610,1260 X11.1 1366.14,1413.86 X17.15 1433.7,1585 1505,1585 1550,1630 1550,1953.58 X16.15 ; v1@306.52,787.4 C2.2
  Bottom Layer w23.62: X7.73@300.55,2350.2 X7.74@300.55,2450.2
  Bottom Layer w55.12: X15.1 X15.2 X15.3 X15.4 X15.5 X15.6
  other v1: 757.87,127.95 915.35,127.95 1072.83,127.95 1200.79,127.95 551.18,206.69 413.39,551.18 393.7,787.4 393.7,885.83 393.7,984.25 295.28,1082.68 393.7,1082.68 295.28,1181.1 393.7,1181.1 393.7,1279.53 393.7,1377.95 393.7,1476.38 393.7,1574.8 295.28,1771.65 393.7,1771.65 295.28,1870.08 393.7,1870.08 295.28,1968.5 393.7,1968.5 1082.68,4035.43 1279.53,4035.43 1476.38,4035.43 1673.23,4035.43 1771.65,4035.43 885.83,4330.71 1082.68,4330.71 1279.53,4330.71 1574.8,4330.71 885.83,4429.13 984.25,4429.13 1181.1,4429.13 1377.95,4429.13 1574.8,4429.13 1771.65,4429.13 787.4,4527.56 984.25,4527.56 1279.53,4527.56 1476.38,4527.56 1673.23,4527.56
LED1: R6.1 X7.34 | length 6001.9
  Top Layer w10: R6.1 1315,75 1835,595 1835,1225 1660,1400 1660,2140.91 1568.39,2232.53 1565.46,2235.46 756.55,2240.29 741.69,2240.29 625.08,2356.89 625.08,2774.53 X7.34@1500.55,3650
LED2: R7.1 X7.35 | length 6798.1
  Top Layer w10: R7.1 510,100 1310,100 1810,600 1810,1221.3 1636.5,1394.81 1636.5,2136.13 1560.1,2212.53 1557.17,2215.46 1196.19,2220.54 1196,2220.73 740.15,2220.73 605,2355.87 605,3775 660,3830 1520.55,3830 X7.35@1600.55,3750
MOSI: X7.52 X11.4 | length 4785.3
  Top Layer w10: X11.4@1205,1260 1300,1165 1552.2,1165 1620.19,1097.01 v1(1623.73,1097.01)
  Bottom Layer w10: v1@1623.77,1097.01 1720,1193.24 1720,2200 1600.47,2319.53 656.92,2319.53 648.15,2328.29 648.15,2523.15 1575,3450 X7.52@2100.55,3450
NetR6_2: R6.2 VD1.2 | length 360.2
  Top Layer w10: VD1.2 262.64,367.36 262.64,357.36 295,325 295,146.26 R6.2
NetR7_2: R7.2 VD2.2 | length 420.2
  Top Layer w10: VD2.2 245,530.08 280.85,494.23 280.85,440.73 366.26,355.31 R7.2
NetR8_2: R8.2 VD3.2 | length 178.1
  Top Layer w23.62: VD3.2 R8.2
NetX12_1: X12.1 X16.11 | length 482.9
  Top Layer w31.5: X12.1 587.59,2010 839.1,2010 X16.11
NetX12_2: X12.2 X16.12 | length 623.6
  Top Layer w31.5: X12.2 591.02,1915 843.7,1915 X16.12
NetX12_3: X12.3 X16.13 | length 764.4
  Top Layer w31.5: X12.3 599.44,1825 853.7,1825 X16.13
NetX12_4: X12.4 X16.14 | length 905.1
  Top Layer w31.5: X12.4 628.94,1756.07 884.77,1756.07 X16.14
NetX13_1: X13.1 X17.11 | length 491.9
  Top Layer w31.5: X13.1 566.93,1369.34 566.93,1384.65 616.53,1434.25 868.04,1434.25 930.33,1496.54 933.92,1496.54 954.62,1517.24 X17.11
NetX13_2: X13.2 X17.12 | length 623.6
  Top Layer w31.5: X13.2 693.85,1397.83 946.54,1397.83 X17.12
NetX13_3: X13.3 X17.13 | length 764.4
  Top Layer w31.5: X13.3 755.86,1361.42 1010.12,1361.42 X17.13
NetX13_4: X13.4 X17.14 | length 932.9
  Top Layer w31.5: X13.4@550,1050 550,1075 800,1325 1073.7,1325 X17.14 ; X13.4 X13.4@551.18,1066.84
NetX14_1: X14.1 X18.11 | length 482.9
  Top Layer w31.5: X14.1 592.59,765 832.38,765 954.62,887.24 X18.11
NetX14_2: X14.2 X18.12 | length 623.6
  Top Layer w31.5: X14.2 621.06,695.05 873.75,695.05 X18.12
NetX14_3: X14.3 X18.13 | length 764.4
  Top Layer w31.5: X14.3 621.06,596.62 875.32,596.62 X18.13
NetX14_4: X14.4 X18.14 | length 911.8
  Top Layer w31.5: X14.4 621.06,498.19 888.19,498.19 1266.14,876.14 X18.14
NetX16_3: X16.3 X16.4 | length 99.9
  Top Layer w23.62: X16.3 966.44,1664.9 1066.04,1664.9 X16.4
NetX17_3: X17.3 X17.4 | length 99.9
  Top Layer w23.62: X17.3 966.44,1044.9 1066.04,1044.9 X17.4
NetX18_3: X18.3 X18.4 | length 99.9
  Top Layer w23.62: X18.3 966.44,414.9 1066.04,414.9 X18.4
RES: X7.26 X11.5 | length 2310.3
  Top Layer w10: X11.5 1229.92,1150.08 1539.92,1150.08 v1(1675,1015)
  Bottom Layer w10: v1(1675,1015) 1675,976.1 1701.18,949.92 1863.82,949.92 1900.55,986.65 X7.26@1900.55,2350
RXD3: X7.16 X10.2 | length 7645.3
  Top Layer w10: X7.16 1400,2330.55 1445.63,2284.92 1571.18,2284.92 1696.5,2159.61 1696.5,1433.5 1880,1250 1880,575 1795,490 1795,155 1830,120 2355,120 2413.13,178.13 2413.13,294.23 2543.82,424.92 2594.31,424.92 2725,555.61 2725,2316.44 2470.39,2571.04 2470.39,2730.2 2700,2959.8 2700,4200 X10.2
SCL: R1.2 X4.3 X7.22 | length 2587.3
  Top Layer w10: X7.22@1700.55,2350 1700.55,2263.9 1750.08,2214.37 R1.2 1759.92,2214.37 1801.02,2173.27 2021.73,2173.27 2040,2155 v1(2040,1905)
  Bottom Layer w10: v1(2040,1905) 2040,945 2215,770 2215,346.85 X4.3
SDA: R2.2 X4.2 X7.21 | length 3567.4
  Top Layer w10: X7.21@1700.55,2450 1700.55,2640.08 R2.2 1871.59,2640.63 1915.96,2685 v1(2195,2685) ; X4.2 2006.94,237.22 2006.94,781.94 2155,930 v1(2335,930)
  Bottom Layer w10: v1(2195,2685) 2255,2685 2335,2605 v1(2335,930)
SERVO: X3.1 X7.29 | length 407.6
  Top Layer w10: X7.29@2100.55,2450 2100.55,2465.55 2160,2525 2258.23,2525 X3.1
STEP1: X7.68 X16.2 | length 4029.4
  Bottom Layer w10: X16.2 926.14,1605 1490,1605 1580,1695 1580,2170 1520,2230 586.3,2230 533.23,2283.07 533.23,2553.23 1300.55,3320.55 X7.68@1300.55,3650
STEP2: X7.36 X17.2 | length 4795.4
  Bottom Layer w10: X17.2 923.21,987.93 926.14,985 1485,985 1540,1040 1540,1140 1625,1225 1625,2200 1565.16,2259.84 603.47,2259.84 568.15,2295.16 568.15,2527.56 1600.55,3559.96 X7.36@1600.55,3650
STEP3: X7.40 X18.2 | length 5563.7
  Bottom Layer w10: X18.2 941.14,340 1490,340 1584.5,434.5 1584.5,1114.5 1665,1195 1665,2202.2 1577.52,2289.69 630.19,2289.69 608.15,2311.73 608.15,2525.36 1677.8,3595 1745.55,3595 X7.40@1800.55,3650
TCRT1: X1.1 X7.55 | length 2272.4
  Bottom Layer w10: X7.55@700.55,3750 830.55,3880 2275,3880 2355,3800 2355,3363.23 X1.1
TCRT2: X2.1 X7.57 | length 2464.1
  Bottom Layer w10: X7.57@800.55,3750 907.44,3856.89 2243.11,3856.89 2317.07,3782.93 2317.07,3062.93 X2.1
TXD3: X7.15 X10.1 | length 9306.5
  Top Layer w10: X7.15 1290,2580 715,2580 640,2505 640,2363.08 738.08,2265 1570,2265 1675,2160 1675,1415 1860.51,1229.49 1860.51,599.41 1780.08,518.98 1780.08,148.82 1823.82,105.08 2361.18,105.08 2428.05,171.95 2428.05,288.05 2550,410 2609.92,410 2739.92,540 2739.92,4260.08 X10.1
VCC: A1.1 C2.1 C3.1 C4.1 X5.1 X16.16 X17.16 X18.16 | length 3172.8
  Top Layer w31.5: X18.16 1722.44,887.44 1780,945 1780,1203.58 1595,1388.58 1595,1517.44 ; X17.16 1595,1517.44 ; X16.16 1595,2008.58 1595,1517.44
  Bottom Layer w31.5: C4.1 319.23,2195.51 1404.51,2195.51 1462.58,2137.44 X16.16
pads on no net: X4.6 X7.1 X7.2 X7.3 X7.4 X7.5 X7.6 X7.7 X7.8 X7.9 X7.10 X7.11 X7.12 X7.13 X7.14 X7.17 X7.18 X7.20 X7.23 X7.31 X7.33 X7.37 X7.39 X7.41 X7.44 X7.46 X7.48 X7.49 X7.50 X7.51 X7.54 X7.61 X7.62 X7.63 X7.64 X7.65 X7.66 X7.67 X7.69 X7.71 X7.72 X11.8 X16.8 X17.8 X18.8

## Polygon pours and split planes (outlines as drawn)
+5В on Top Layer "5V_top" (solid, pour order 11): 1710,1680 1715,1675 1715,1435 1905,1245 1905,555 1810,460 1810,160 1825,145 1880,145 1980,245 1980,1320 2100,1440 2645,1440 2720,1515 2720,2185 2565,2340 2565,2380 2395,2550 2395,2700 2675,2980 2675,4165 2695,4191.5 2468.5,4191.5 2352.57,4307.43 2352.57,4632.43 2315,4670 2315,4675 1900,4675 1865,4640 1865,4545 1945,4465 1945,4185 2177.5,3952.5 2447.5,3952.5 2495,3905 2495,3505 2200,3210 1835,3210 1635,3010 1635,2715 1660,2690 2265,2690 2265,2555 2342.5,2477.5 2455,2380 2455,2190 2660,1985 2660,1705 2615,1660 2080,1660 2020,1720 2020,2135 1980,2175 1710,2175
GND on Top Layer "top_gnd" (solid, pour order 8): 275.87,2325.87 220,2270 220,895 200,895 50,745 50,340 100,290 180,290 215,325 215,585 285,655 385,655 540,810 775,810 800,835 800,950 775,975 545,975 485,1035 485,1385 555,1455 785,1455 795,1465 795,1580 550,1580 485,1645 485,1995 540,2050 795,2050 820,2075 820,2160 800,2180 430,2180 325,2285 325,2395 260,2395 260,2355 275.87,2339.13
+5В on Top Layer "+5В" (solid, pour order 3): 475,3775 440,3810 356.47,3810 342.47,2302.53 370,2275 455,2275 475,2295
+4S on Top Layer "+4s_vcc" (solid, pour order 7): 70,4015 107.5,3977.5 255,3977.5 285,4007.5 285,4027.5 285,4087.5 330,4132.5 330,4227.5 272.5,4285 115,4285 70,4240
GND on Top Layer "GND_lm" (solid, pour order 2): 305,4075 305,3970 185,3970 150,3935 150,3865 180,3835 420,3835 475,3890 2020,3890 2055,3925 2055,4035 1920,4170 1920,4455 1714.52,4660.48 890.48,4660.48
VCC on Top Layer "VCC_top" (solid, pour order 0): 315,4670 155,4510 155,4325 175,4305 470,4305 615,4450 615,4615 560,4670
GND on Bottom Layer "brm_gnd" (solid, pour order 10): 447.5,352.5 447.5,2092.5 365,2175 270,2175 235,2140 235,225 430,30 2361.65,30 2710.66,388.86 2720,399.37 2720,2430 2630,2520 2550,2520 2460,2610 2460,2765 2520,2825 2670,2825 2725,2880 2725,4075 2710,4095 2625,4095 2580,4140 2580,4535 2445,4670 2387.5,4670 2387.5,4667.5 2340,4620 2340,4017.91 1877.91,4017.91 1845,3985 1845,3880 2195,3880 2335,3740 2335,3525 2487.37,3372.63 2487.37,2992.37 2330,2840 2330,2520 2335,2520 2527.76,2327.24 2405,2204.48 2405,425 2160,180 620,180
GND on Bottom Layer "BOT_GND" (solid, remove dead copper, pour order 6): 2275,3900 2340,3965 2720,3965 2720,4070 2725,4075 2705,4095 2614.16,4095 2580,4129.16 2580,4430.33 2544.67,4430.33 2462.4,4512.6 2462.4,4619.44 2478.98,4636.02 2405,4710 740,4710 640,4610 647.5,4407.5 260,4020 160,3920 160,2565 217.5,2507.5 240,2507.5 245,2502.5 245,2315 250,2310 355,2310 355,2505 365,2515 430,2515 495,2580 495,2635 497.5,2637.5 497.5,3807.5 555,3865 580,3900
VCC on Bottom Layer "btm_vcc" (solid, pour order 5): 190,2275 145,2320 145,4245 180,4280 465,4280 605,4420 605,4650 545,4710 300,4710 0,4230 0,890 65,825 185,825 250,890 250,2215 205,2260
+5В on Bottom Layer "5V_MOTOR" (solid, pour order 9): 1425,1455 1470,1410 1470,1235 1420,1185 1420,1020 1405,1005 1130,1005 1130,1055 1060,1125 675,1125 675,1050 780,945 895,945 915,925 915,850 930,835 1280,835 1415,700 1415,380 1405,390 1130,390 1115,405 1115,455 1080,490 750,490 605,635 605,1980 705.72,2080.72 803.06,2080.72 823.15,2135 915,2135 915,2120 955,2080 1315,2080 1430,1965 1430,1650 1405,1625 1145,1625 1125,1645 1125,1730 720,1730 715,1735 715,1515 925,1515 925,1455

## Silkscreen, mask and mechanical layers (free items; w line width, h text height)
Top Overlay:
  text "+5В" at 2260,4635.5 h60
  text "GND" at 2365,4635.5 h60
  text "A5" at 2085,4555.5 h60
  text "A3" at 2084.92,4455.25 h60
  text "ТУМБЛЕР" at 85.5,4405 h60 r270
  text "A1" at 2084.92,4357.53 h60
  text "TX" at 2484.25,4346.06 h60
  text "D42" at 2070,4250 h60
  text "RX" at 2484.25,4246.06 h60
  text "UART" at 2705.5,4195 h60 r270
  text "D44" at 2070,4150 h60
  text "+5В" at 2484.25,4141.56 h60
  text "+4S" at 28.22,4096.46 h62.99 r270
  text "ПИТАНИЕ" at 88.58,4084.65 h60 r270
  text "D46" at 2070,4045.5 h60
  text "GND" at 2479.25,4041.56 h60
  text "GND" at 19.69,3976.38 h62.99 r270
  text "ANALOG" at 2485,3940.5 h60
  text "A0" at 2625,3843.98 h60
  text "A4" at 2410,3775 h60
  text "+5В" at 2500,3775.5 h60
  text "GND" at 2605,3775.5 h60
  text "DIGITAL" at 2490,3650.5 h60
  text "D30" at 2405,3480.5 h60
  text "+5В" at 2500,3480.5 h60
  text "GND" at 2605,3480.5 h60
  text "TCRT5000" at 2400,3395.5 h60
  text "A0" at 2655,3395.5 h60
  text "TCRT5000" at 2415,3060.5 h60
  text "A2" at 2660,3060 h60
  text "СЕРВОПРИВОД" at 2375,2476.6 h60
  text "D28" at 2360,2200.5 h60
  text "STEP-D67 DIR-D69" at 655.5,2005 h60 r270
  text "ВВЕРХ" at 2035,1985 h60 r270
  text "D29" at 2035.5,1790 h60 r270
  text "ПРАВЫЙ" at 690,1788.11 h60 r270
  text "STEP-D37  DIR-D35" at 655.5,1425 h60 r270
  text "ВЫБОР" at 2035.5,1390 h60 r270
  text "OLED ДИСПЛЕЙ" at 965,1326.6 h60
  text "+5В" at 1375,1325.5 h60
  text "D26" at 2035.5,1175 h60 r270
  text "ЛЕВЫЙ" at 690.11,1162.6 h60 r270
  text "STEP-D39  DIR-D41" at 655.5,795.98 h60 r270
  text "ВНИЗ" at 2035.5,745 h60 r270
  text "ВТОРАЯ ОСЬ" at 690.5,670 h60 r270
  text "D27" at 2035,590 h60 r270
  text "D33" at 150,580.5 h60
  text "D34" at 150,445.5 h60
  text "+5В" at 1800,295.5 h60
  text "SDA" at 1900,295.5 h60
  text "SCL" at 2005,295.5 h60
  text "DIR" at 2115,295 h60
  text "GND" at 2210,295.5 h60
  text "ЭНКОДЕР" at 2446.6,250 h60 r270
Bottom Overlay:
  text "1A" at 1050,2254.01 h60 r270
  text "1B" at 945,2252.07 h60 r270
  text "2B" at 1255,2251.62 h60 r270
  text "2A" at 1155,2249.68 h60 r270
  text "+5B" at 855.5,2225.1 h60 r270
  text "VCC" at 1450.5,2212.44 h60 r270
  text "GND" at 745.5,2210 h60 r270
  text "GND" at 1350.5,2210 h60 r270
  text "DIR" at 815,255 h60 r270
  text "STP" at 865.5,255 h60 r270
  text "SLP" at 940.5,255 h60 r270
  text "RES" at 1045.5,255 h60 r270
  text "+5B" at 1150.5,255 h60 r270
  text "+5B" at 1250.5,255 h60 r270
  text "+5B" at 1345.5,255 h60 r270
Mechanical 1:
  circle w0.5: c2598.68,4567.18 r62.99
  circle w0.5: c157.73,4567.18 r62.99
  circle w0.5: c2598.68,157.73 r62.99
  circle w0.5: c157.73,157.73 r62.99
  lines w0.5: 0.25,157.73 ccw(c157.73,157.73) 157.73,0.25 2598.68,0.25 ccw(c2598.68,157.73) 2756.16,157.73 2756.16,4567.18 ccw(c2598.68,4567.18) 2598.68,4724.66 157.73,4724.66 ccw(c157.73,4567.18) 0.25,4567.18 0.25,157.73
  lines w10: 0,157.48 ccw(c157.48,157.48) 157.48,0 2598.43,0 ccw(c2598.43,157.48) 2755.91,157.48 2755.91,4566.93 ccw(c2598.43,4566.93) 2598.43,4724.41 157.48,4724.41 ccw(c157.48,4566.93) 0,4566.93 0,157.48